# KiCad board pannel_v2.kicad_pcb (continued)
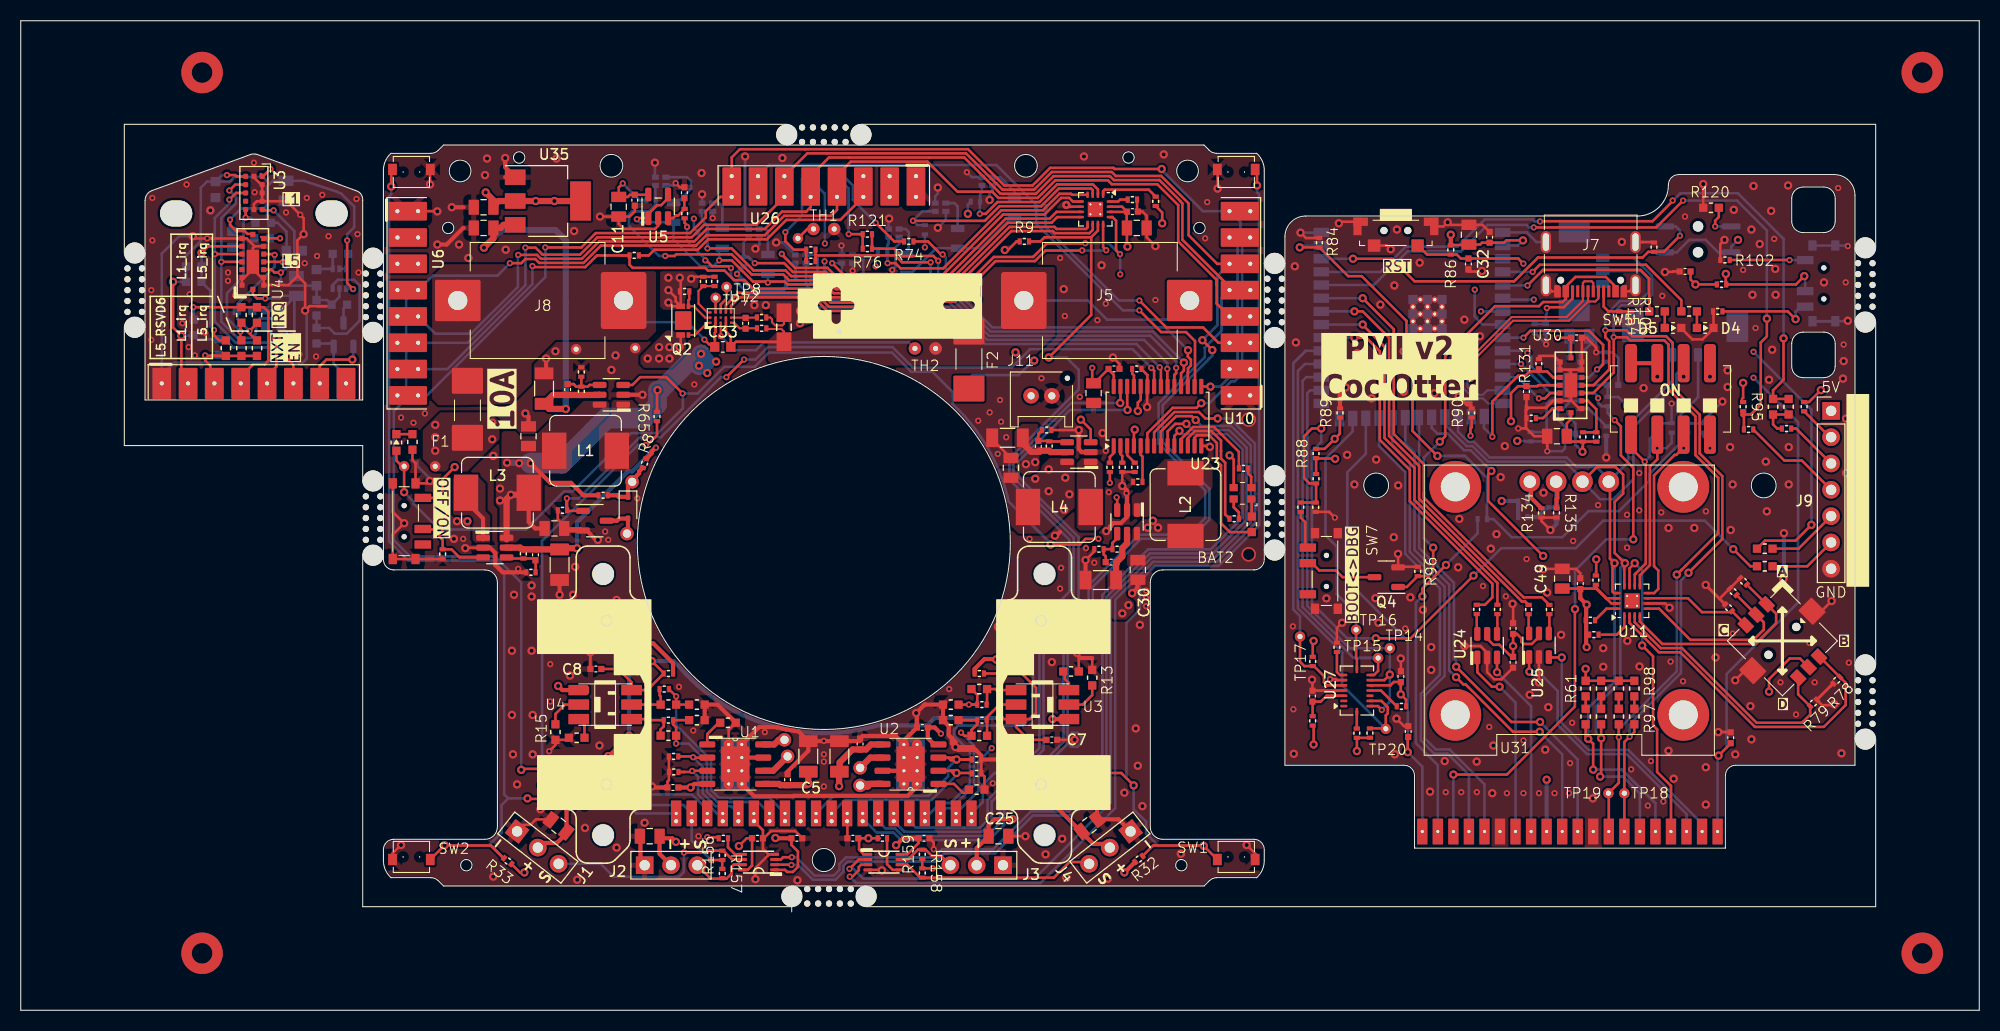
[diagram p0: board, top side]
## Library data of the parts
BAT2 D1 = -: Description: RGB LED 2.1mm x 2.1mm; JLCPCB Part #: C2874116
C1-C4 C7-C10 C12 C13 C15-C22 C28 C31 C32 C34 C47 C50 C53-C55 C57-C59 = -: Description: Unpolarized capacitor tol +/-10%; Specification: 100nF 50V X7R 0402; JLCPCB Part #: C85858; ki_fp_filters: C_*
C4#2 C7#2 C8#2 = -: Description: Unpolarized capacitor tol +/-10%; Specification: 100nF 50V X7R 0603; JLCPCB: C14663; ki_fp_filters: C_*
C5 C6 C36 C38 C43 C44 = -: Description: Unpolarized capacitor; Specification: 47µF 10V X5R 1206; JLCPCB Part #: C96123; ki_fp_filters: C_*
C5#2 C6#2 = -: Description: Unpolarized capacitor; Specification: 10µF 25V X7R 0805; JLCPCB: C15850; ki_fp_filters: C_*
C9#2 = -: Description: Unpolarized capacitor tol +/-10%; Specification: 2nF 50V X7R 0603; JLCPCB: C1588; JLCPCB Part #: C282245; ki_fp_filters: C_*
C11 C14 C23-C27 C30 C35 C39 C40 C45 C46 C48 C49 C51 C52 = -: Description: Unpolarized capacitor; Specification: 10µF 25V X7R 0805; JLCPCB Part #: C15850; ki_fp_filters: C_*
C29 C37 C41 C42 = -: Description: Unpolarized capacitor tol +/-10%; Specification: 1nF 50V X7R 0402; JLCPCB Part #: C541393; ki_fp_filters: C_*
C33 = -: Description: Unpolarized capacitor tol +/-10%; Specification: 1µF 16V X7R 0603; JLCPCB Part #: C59782; ki_fp_filters: C_*
D2 = -: Datasheet: https://datasheet.lcsc.com/lcsc/2204281430_Guangdong-Hottech-1N5819WS_C191023.pdf; Description: 40V 600mV@1A 1A SOD-323 Schottky Barrier Diodes, SOD-323; JLCPCB Part #: C191023; ki_fp_filters: D*SOD?323*
D4 D5 D7 = -: Description: Light emitting diode, Green, Vf=[2V; 2.4V]; DIGIKEY_REF: 3147-B19Y1UYG-20C000313U1930CT-ND; MOUSER_REF: 710-150060VS55040; JLCPCB Part #: C22371299; ki_fp_filters: LED* LED_SMD:* LED_THT:*
F1 F2 = -: Datasheet: https://datasheet.lcsc.com/lcsc/2305151203_Shenzhen-JDT-Fuse-JFC2410-2100FS_C136374.pdf; Description: 10A fuse, 125V AC,  6.6mOhms, I²t 118.38 A².s; JLCPCB Part #: C136374
H1 H1#2 H2 H2#2 H3 H4 = -: Description: Mounting Hole without connection; ki_fp_filters: MountingHole*
J1-J4 = -: Description: Generic connector, single row, 01x03, script generated; JLCPCB Part #: C2932698; ki_fp_filters: Connector*:*_1x??_*
J1#2 U6 U10 U26 = -: Description: tof sensor board connector - female; ki_fp_filters: Connector*:*_1x??_*
J5 J8 = -: Description: SMD battery clip Keystone; JLCPCB Part #: C2979182; ki_fp_filters: Connector*:*_1x??_*
J6 J10 = -: Description: 1.25mm Pitch, PicoBlade PCB Header, Single Row, Vertical, Surface Mount, Tin (Sn) Plating, Friction Lock, 5 Circuits, Tape and Reel, 0.60mm PC Tail Length
J7 = -: Datasheet: https://www.usb.org/sites/default/files/documents/usb_type-c.zip; Description: USB-C receptacle, SMD; DIGIKEY_REF: 2073-USB4105-GF-A-060TR-ND; JLCPCB Part #: C2927039; ki_fp_filters: USB*C*Receptacle*
J9 = -: JLCPCB Part #: C492406
J11 = -: Datasheet: https://www.jst.fr/core/file.get?path=doc/jst/family/pdf/epa0125.pdf; Description: 2 pins, 2mm pitch, 3A, 250V, JST connector, through hole; #JLC: C265372
L1-L4 = -: Datasheet: https://www.mouser.fr/datasheet/2/40/LMLPD-3165140.pdf; Description: 2.2 µH, Idc 8A, Isat 12A, DCR 17 mOhms; MOUSER: 581-LMLP07A7M2R2DTAS
Q1 Q4 = -: JLCPCB Part #: C2938374
Q1#2 = -: Datasheet: http://assets.nexperia.com/documents/data-sheet/BSS84.pdf; Description: -0.13A Id, -50V Vds, P-Channel MOSFET, SOT-23; ki_fp_filters: SOT?23*
Q2 = -: Datasheet: https://www.onsemi.com/pub/Collateral/NDS7002A-D.PDF; Description: 14.5A Id, 20V Vds, dual N-Channel MOSFET, DFN2030; JLCPCB Part #: C559578; ki_fp_filters: SOT?23*
Q4#2 = -: Datasheet: https://www.diodes.com/assets/Datasheets/ds30380.pdf; Description: N : 0.115A Id, 60V Vds.   P : -50V, -130mA; ki_fp_filters: TSOT?23*
R1-R3 R4#2 R5 R9 R12 R31-R33 R38 R44 R45 R67-R73 R77-R79 R84 R86 R88-R90 R93 R95 R96 R101 R110 R112 R115 R116 R119 R125-R127 R129-R131 R148 = -: Description: Resistor; Specification: 91k 0402 1% 100mW; JLCPCB Part #: C327323; ki_fp_filters: R_*
R4 R5#2 R6#2 R20#2 R21 = -: Description: Resistor; Specification: 0R 0603 20mOhms max 100mW; JLCPCB: C431718; ki_fp_filters: R_*
R6 R7 = -: Description: Resistor; Specification: 768R 0603 1% 100mW; JLCPCB Part #: C23108; ki_fp_filters: R_*
R7#2 R8#2 R9#2 R10#2 R13#2 R14#2 R25#2 = -: Description: Resistor; Specification: 10k 0603 1% 100mW; mouser: 603-RC0603FR-10100KL; JLCPCB: C25804; ki_fp_filters: R_*
R8 R10 R17 R20 R22 R26 R29 R30 R39 R54 R56-R58 R60 R65 R75 R80 R85 R87 R102 R103 R109 R118 R132-R138 R141-R143 R156-R159 = -: Description: Resistor; Specification: 0R 0603; JLCPCB Part #: C; ki_fp_filters: R_*
R11 R74 R76 R117 R121 R144-R147 = -: Description: Resistor; Specification: 100R 0402 1% 62.5mW; JLCPCB Part #: C25076; ki_fp_filters: R_*
R11#2 R12#2 R15#2 R17#2 R18#2 = -: Description: Resistor; Specification: 91k 0603 1% 100mW; JLCPCB Part #: C23265; ki_fp_filters: R_*
R13-R16 = -: Description: Resistor; Specification: 240R 0603 1% 100mW; JLCPCB Part #: C23350; ki_fp_filters: R_*
R16#2 = -: Description: Resistor; Specification: 3k3 0603 1% 100mW; JLCPCB: C22978; ki_fp_filters: R_*
R18 R21#2 R23 R27 = -: Description: Resistor; Specification: 1k3 0603 1% 100mW; JLCPCB Part #: C22767; ki_fp_filters: R_*
R19 R24 R25 R28 R55 R59 R61 R82 R83 R91 R92 R97-R100 R114 R149 = -: Description: Resistor; Specification: 10k 0603 1% 100mW; mouser: 603-RC0603FR-10100KL; JLCPCB Part #: C2991540; ki_fp_filters: R_*
R34 R35 R40 R41 R46 R47 R50 R51 = -: Description: Resistor; Specification: 82R 0805 1% 100mW; JLCPCB Part #: C17841; ki_fp_filters: R_*
R36 R37 R42 R43 R48 R49 R52 R53 = -: Description: Resistor; Specification: 27k 0402 1% 63.5mW; JLCPCB Part #: C; ki_fp_filters: R_*
R62 R63 = -: Description: Resistor; Specification: 100R 0402 1% 62.5mW; mouser: 603-RC0603FR-10100KL; JLCPCB Part #: C25076; ki_fp_filters: R_*
R64 R120 = -: Description: Resistor; Specification: 390R 0603 1% 100mW; mouser: 603-RC0603FR-10100KL; JLCPCB Part #: C23151; ki_fp_filters: R_*
R66 = -: Description: Resistor; Specification: 68k 0402 1% 100mW; JLCPCB Part #: C11702; ki_fp_filters: R_*
R81 R155 = -: Description: Resistor; Specification: 100R 0603 1% 100mW; JLCPCB Part #: C; ki_fp_filters: R_*
R94 R107 R108 R111 R113 R122-R124 R128 R152 R153 = -: Description: Resistor; Specification: 10k 0402 1% 100mW; mouser: 603-RC0603FR-10100KL; JLCPCB Part #: C; ki_fp_filters: R_*
R104-R106 R154 = -: Description: Resistor; Specification: 10k 0402 1% 100mW; JLCPCB Part #: C; ki_fp_filters: R_*
R139 R140 = -: Description: Resistor; Specification: 390R 0603 1% 100mW; JLCPCB Part #: C23151; ki_fp_filters: R_*
R150 = -: Datasheet: https://www.lcsc.com/datasheet/C728266.pdf; Description: Resistor; Specification: 3mR 0805 1% 500mW; JLCPCB Part #: C5823973; ki_fp_filters: R_*
R151 = -: Description: Resistor; Specification: 10M 0603 1% 100mW; JLCPCB Part #: C; ki_fp_filters: R_*
SW1 SW9 = -: Datasheet: https://www.lcsc.com/product-detail/Microswitches_Yuandi-TQ-2537A_C669819.html; Description: microswitch 50mA 12V SMD; Mouser: 667-ESE-22MH22; JLCPCB Part #: C388877
SW2 SW6 = -: Datasheet: https://www.lcsc.com/product-detail/microswitches_yuandi_tq-2537_C669818.html; Description: microswitch 50mA 12V SMD; Mouser: 667-ESE-22MH24; JLCPCB Part #: C2687661
SW3 SW7 SW8 = -: Datasheet: https://www.mouser.fr/datasheet/2/910/606_MSS614-1571571.pdf; Description: 100mA max, 12Vdc, 10000 cycles; JLCPCB Part #: C3008585
SW4 = -: Description: 5 dimensions switch with  center push, SMD; DIGIKEY_REF: 450-2425755-1TR-ND; JLCPCB Part #: C465995
SW5 = -: Description: 4 poles SMT DIP switch; JLCPCB Part #: C437204
SW10 = -: Datasheet: https://wmsc.lcsc.com/wmsc/upload/file/pdf/v2/lcsc/2108252230_BZCN-TSB001A3526A02_C2888889.pdf; Description: 50mA max, 12Vdc, 100mohms max; JLCPCB Part #: C2888889
TH1 TH2 = -: Description: Temperature dependent resistor, negative temperature coefficient; ki_fp_filters: *NTC* *Thermistor* PIN?ARRAY* bornier* *Terminal?Block* R_*
TP1-TP21 = -: Description: test point; ki_fp_filters: Pin* Test*
U1 U2 = -: JLCPCB Part #: C5218849
U3 = -: Datasheet: https://www.st.com/resource/en/datasheet/vl53l1x.pdf; Description: 4m distance ranging ToF sensor; JLCPCB: C190004; ki_fp_filters: ST*VL53L1x*
U4#2 = -: Datasheet: https://www.st.com/resource/en/datasheet/vl53l5cx.pdf; Description: Time-of-Flight 8x8 multizone ranging sensor with wide field of view; JLCPCB: C7386355; ki_fp_filters: ST*VL53L1x*
U5 = -: Description: Low Cost, 250 mA Output, / Single-Supply Amplifiers, supply [2.7;6V]; MOUSER_REF: 584-AD8531ARTZ-R7; JLCPCB Part #: C143905
U7 U11 = -: Datasheet: https://www.ti.com/lit/ds/symlink/tca6408a.pdf; Description: 8-BIT I2C/SMBUS GPIO EXPANDER; mouser: 595-TCA6408ARGTR; JLCPCB part#: C181499; ki_fp_filters: TSSOP*4.4x7.8mm*P0.65mm*
U8 U9 U13-U16 U19 U20 = -: Description: SMT, detection distance 0.5mm photointerrupter; JLCPCB Part #: C2943466
U12 = -: Datasheet: https://www.ti.com/lit/ds/symlink/bq27z746.pdf
U17 U21 = -: Datasheet: https://www.ti.com/lit/ds/symlink/sn74lvc2t45.pdf; Description: Dual-Bits Dual-Supply Bus Transceiver With Configurable Voltage Translation and 3-State Outputs, SOT-23-6; ki_fp_filters: SOT?23*
U18 = -: JLCPCB Part #: C509307
U22 U30 = -: Datasheet: https://www.st.com/resource/en/datasheet/vl53l5cx.pdf; Description: Time-of-Flight 8x8 multizone ranging sensor with wide field of view; JLCPCB Part #: C3178303; ki_fp_filters: ST*VL53L1x*
U23 = -: Datasheet: http://www.nxp.com/docs/en/data-sheet/PCA9685.pdf; Description: 16-channel 12-bit PWM Fm+ I2C-bus LED controller RGBA TSSOP; JLCPCB Part #: C2678753; ki_fp_filters: TSSOP*4.4x9.7mm*P0.65mm*
U24 U25 = -: Datasheet: https://www.ti.com/lit/ds/symlink/sn74lvc2g17.pdf; Description: Dual Schmitt-Trigger non inverting Buffer; ki_fp_filters: SOT?23*
U27 = -: Datasheet: https://www.bosch-sensortec.com/media/boschsensortec/downloads/datasheets/bst-bmi088-ds001.pdf; Description: 6-axis Motion Tracking for High-performance Applications; JLCPCB Part #: C194919
U28 U29 U33 U34 = -: Datasheet: https://www.ti.com/lit/gpn/TLV61070A
U31 = -: Description: 0.96 inches, 128x64 pixels, supply [3.3;5V], I2C, SH1106 (or SSD1306) controller
U32 = -: Description: 8MB flash, 2MB PSRAM, with antena connector; JLCPCB Part #: C3013944

## Footprints (pads in the part's own frame, mm; a bottom-side part is the same pattern mirrored in y, then rotated)
254
  rrect 4.4x5.5 hole 1.85: 1(-7.8,0)
  rrect 4.4x4 hole 1.85: 1(8.2,0)
533980371
  rrect 0.8x1.3 smd: 1(1.25,-2.75) 2(0,-2.75) 3(-1.25,-2.75)
  rrect 2.1x3 smd: NC(-3.8,0) NC(3.8,0)
533980571
  rrect 0.8x1.3 smd: 1(2.5,-2.75) 2(1.25,-2.75) 3(0,-2.75) 4(-1.25,-2.75) 5(-2.5,-2.75)
  rrect 2.1x3 smd: NC(-5.05,0) NC(5.05,0)
ana_servo_5V
  rect 1.7x1.7 hole 1: 1(0,2.54)
  oval 1.7x1.7 hole 1: 2(0,0) 3(0,-2.54)
BM02B-PASK
  round 0.5 hole 1.1 unplated: (2.5,1.7)
  round 1.5 hole 0.7: 1(1,0) 2(-1,0)
Bosch_LGA-16_4.5x3mm_P0.5mm_LayoutBorder7x1y_ClockwisePinNumbering
  rrect 0.25x0.675 smd: 1(-1.5,1.262) 2(-1,1.262) 3(-0.5,1.262) 4(0,1.262) 5(0.5,1.262) 6(1,1.262) 7(1.5,1.262) 9(1.5,-1.262) 10(1,-1.262) 11(0.5,-1.262) 12(0,-1.262) 13(-0.5,-1.262) 14(-1,-1.262) 15(-1.5,-1.262)
  rrect 0.675x0.25 smd: 8(2.013,0) 16(-2.013,0)
C_0402_1005Metric
  rrect 0.6x0.6 smd: 1(-0.525,0) 2(0.525,0)
C_0603_1608Metric
  rrect 0.9x0.95 smd: 1(-0.775,0) 2(0.775,0)
C_0805_2012Metric
  rrect 1x1.45 smd: 1(-0.95,0) 2(0.95,0)
C_1206_3216Metric
  rrect 1.15x1.8 smd: 1(-1.475,0) 2(1.475,0)
CTN-NRN
  round 1.2 hole 0.5: 1(-1,0) 2(1,0)
D_SOD-323
  rrect 0.6x0.45 smd: 1(-1.05,0) 2(1.05,0)
DDA0008B
  rrect 1.55x0.6 smd: 1(-2.7,1.905) 2(-2.7,0.635) 3(-2.7,-0.635) 4(-2.7,-1.905) 5(2.7,-1.905) 6(2.7,-0.635) 7(2.7,0.635) 8(2.7,1.905)
  round 1 hole 0.3: 9(-0.635,1.905) 9(-0.635,0.635) 9(-0.635,-0.635) 9(-0.635,-1.905) 9(0.635,1.905) 9(0.635,0.635) 9(0.635,-0.635) 9(0.635,-1.905)
  rrect 2.71x3.4 smd: 9(0,0)
  rrect 2.8x5 smd far side: 9(0,0)
EESX1321
  rrect 2x1 smd: 1(-2.55,1.4) 2(-2.55,0) 3(-2.55,-1.4) 4(2.55,-1.4) 5(2.55,0) 6(2.55,1.4)
eps32_uart_programmer
  rect 1.7x1.7 hole 1: 1(0,0)
  oval 1.7x1.7 hole 1: 2(0,-2.54) 3(0,-5.08) 4(0,-7.62) 5(0,-10.16) 6(0,-12.7) 7(0,-15.24)
ESE58L11B
  round 0.1 hole 0.7 unplated: (-0.8,0) (0.8,0)
  rrect 0.85x1.1 smd: 1(-1.825,0.25) 2(1.825,0.25)
ESE58R11B
  round 0.1 hole 0.7 unplated: (-0.8,0) (0.8,0)
  rrect 0.85x1.1 smd: 1(-1.825,0.25) 2(1.825,0.25)
ESP32-S3-WROOM-1
  rrect 1.5x0.9 smd: 1(-8.75,8.255) 2(-8.75,6.985) 3(-8.75,5.715) 4(-8.75,4.445) 5(-8.75,3.175) 6(-8.75,1.905) 7(-8.75,0.635) 8(-8.75,-0.635) 9(-8.75,-1.905) 10(-8.75,-3.175) 11(-8.75,-4.445) 12(-8.75,-5.715) 13(-8.75,-6.985) 14(-8.75,-8.255) 27(8.75,-8.255) 28(8.75,-6.985) 29(8.75,-5.715) 30(8.75,-4.445) 31(8.75,-3.175) 32(8.75,-1.905) 33(8.75,-0.635) 34(8.75,0.635) 35(8.75,1.905) 36(8.75,3.175) 37(8.75,4.445) 38(8.75,5.715) 39(8.75,6.985) 40(8.75,8.255)
  rrect 0.9x1.5 smd: 15(-6.985,-9.505) 16(-5.715,-9.525) 17(-4.445,-9.545) 18(-3.175,-9.565) 19(-1.905,-9.585) 20(-0.635,-9.605) 21(0.635,-9.625) 22(1.905,-9.645) 23(3.175,-9.665) 24(4.445,-9.685) 25(5.715,-9.705) 26(6.985,-9.725)
  rrect 0.9x0.9 smd: 41(-2.9,-1.025) 41(-2.9,0.375) 41(-2.9,1.775) 41(-1.5,-1.025) 41(-1.5,0.375) 41(-1.5,1.775) 41(-0.1,-1.025) 41(-0.1,0.375) 41(-0.1,1.775)
  round 0.6 hole 0.3: 41(-2.9,-0.325) 41(-2.9,1.075) 41(-2.2,-1.025) 41(-2.2,0.375) 41(-2.2,1.775) 41(-1.5,-0.325) 41(-1.5,1.075) 41(-0.8,-1.025) 41(-0.8,0.375) 41(-0.8,1.775) 41(-0.1,-0.325) 41(-0.1,1.075)
HAD-04HWAG-2
  rrect 1.15x3.7 smd: 1(-3.81,-3.45) 2(-1.27,-3.45) 3(1.27,-3.45) 4(3.81,-3.45) 5(3.81,3.45) 6(1.27,3.45) 7(-1.27,3.45) 8(-3.81,3.45)
ITR1204SR10A
  rrect 0.65x0.5 smd: 1(0.5,-0.4) 2(0.5,0.4)
  rrect 0.7x0.5 smd: 3(-0.525,0.4) 4(-0.525,-0.4)
JFC2410
  rrect 2.5x3 smd: 1(-2.75,0) 2(2.75,0)
L_Kyocera_07A7_7.3x6.6mm
  rect 2.35x3.5 smd: 1(-3.025,0) 2(3.025,0)
LED_0603_1608Metric
  rrect 0.8x0.8 smd: A(0.8,0) C(-0.8,0)
mice_bite_2mm_both_sides
  round 0.6 hole 0.6 unplated: (-0.7,2.1) (-0.7,1.05) (-0.7,0) (-0.7,-1.05) (-0.7,-2.1) (0.7,2.1) (0.7,1.05) (0.7,0) (0.7,-1.05) (0.7,-2.1)
  round 2 hole 2 unplated: (0,3.6) (0,-3.6)
MountingHole_2.1mm
  round 2.1 hole 2.1 unplated: (0,0)
MountingHole_2.5mm-slot_1mm
  oval 3.1x2.5 hole 3.1x2.5 unplated: (0,0)
MSS12C02LS-BB2.0
  round 0.5 hole 0.8 unplated: (-1.5,0) (1.5,0)
  rrect 0.8x1.6 smd: A(-2.25,1.8) B(0.75,1.8) C(2.25,1.8)
  rrect 1x0.8 smd: MP(-3.65,1.1) MP(-3.65,-1.1) MP(3.65,1.1) MP(3.65,-1.1)
NH-B2020RGBA-HF
  rrect 0.8x0.7 smd: 1(-0.85,0.55) 2(0.85,0.55) 3(0.85,-0.55) 4(-0.85,-0.55)
OLED_0.96inch
  round 2 hole 1.2: 1(-3.81,12.4) 2(-1.27,12.4) 3(1.27,12.4) 4(3.81,12.4)
  round 5 hole 2.8: NC(-11,11.9) NC(-11,-10.1) NC(11,11.9) NC(11,-10.1)
PA0805
  rrect 1.8x1.44 smd: 1(-1.4,0) 2(1.4,0)
pmi_2023_interconnection
  round 0.7 hole 0.3: 1(-14.25,0) 2(-12.75,0) 3(-11.25,0) 4(-9.75,0) 5(-8.25,0) 6(-6.75,0) 7(-5.25,0) 8(-3.75,0) 9(-2.25,0) 10(-0.75,0) 11(0.75,0) 12(2.25,0) 13(3.75,0) 14(5.25,0) 15(6.75,0) 16(8.25,0) 17(9.75,0) 18(11.25,0) 19(12.75,0) 20(14.25,0)
  rrect 1x2.5 smd: 1(-14.25,0) 2(-12.75,0) 3(-11.25,0) 4(-9.75,0) 5(-8.25,0) 6(-6.75,0) 7(-5.25,0) 8(-3.75,0) 9(-2.25,0) 10(-0.75,0) 11(0.75,0) 12(2.25,0) 13(3.75,0) 14(5.25,0) 15(6.75,0) 16(8.25,0) 17(9.75,0) 18(11.25,0) 19(12.75,0) 20(14.25,0)
pmi_2023_interconnection_bot
  round 0.7 hole 0.3: 1(-14.25,0) 2(-12.75,0) 3(-11.25,0) 4(-9.75,0) 5(-8.25,0) 6(-6.75,0) 7(-5.25,0) 8(-3.75,0) 9(-2.25,0) 10(-0.75,0) 11(0.75,0) 12(2.25,0) 13(3.75,0) 14(5.25,0) 15(6.75,0) 16(8.25,0) 17(9.75,0) 18(11.25,0) 19(12.75,0) 20(14.25,0)
  rrect 1x2.5 smd: 1(-14.25,0) 2(-12.75,0) 3(-11.25,0) 4(-9.75,0) 5(-8.25,0) 6(-6.75,0) 7(-5.25,0) 8(-3.75,0) 9(-2.25,0) 10(-0.75,0) 11(0.75,0) 12(2.25,0) 13(3.75,0) 14(5.25,0) 15(6.75,0) 16(8.25,0) 17(9.75,0) 18(11.25,0) 19(12.75,0) 20(14.25,0)
  round 0.7 hole 0.4: 1(-14.25,-0.75) 2(-12.75,-0.75) 3(-11.25,-0.75) 4(-9.75,-0.75) 5(-8.25,-0.75) 6(-6.75,-0.75) 7(-5.25,-0.75) 8(-3.75,-0.75) 9(-2.25,-0.75) 10(-0.75,-0.75) 11(0.75,-0.75) 12(2.25,-0.75) 13(3.75,-0.75) 14(5.25,-0.75) 15(6.75,-0.75) 16(8.25,-0.75) 17(9.75,-0.75) 18(11.25,-0.75) 19(12.75,-0.75) 20(14.25,-0.75)
r0402_reflow
  rrect 0.4x0.6 smd: 1(-0.45,0) 2(0.45,0)
r0603_reflow
  rrect 0.8x0.8 smd: 1(-0.75,0) 2(0.75,0)
r0805_reflow
  rrect 0.7x1.3 smd: 1(-0.95,0) 2(0.95,0)
RPI-0352E
  round 1 hole 1.2 unplated: (0,-1.25)
  round 1 hole 1.5 unplated: (0,1.25)
  rrect 1.8x0.6 smd: 1(3.2,-1.25) 2(3.2,1.25) 3(-3.2,1.25) 4(-3.2,-1.25)
SOT-23-3
  rrect 1.325x0.6 smd: 1(-1.137,0.95) 2(-1.137,-0.95) 3(1.137,0)
SOT-23-5
  rrect 1.325x0.6 smd: 1(-1.137,0.95) 2(-1.137,0) 3(-1.137,-0.95) 4(1.137,-0.95) 5(1.137,0.95)
SOT-23-6
  rrect 1.325x0.6 smd: 1(-1.137,0.95) 2(-1.137,0) 3(-1.137,-0.95) 4(1.137,-0.95) 5(1.137,0) 6(1.137,0.95)
SOT-223
  rect 2x1.5 smd: 1(-3.15,2.3) 2(-3.15,0) 3(-3.15,-2.3)
  rect 2x3.8 smd: 4(3.15,0)
SOT-363_SC-70-6
  rrect 0.65x0.42 smd: 1(-0.95,0.65) 2(-0.95,0) 3(-0.95,-0.65) 4(0.95,-0.65) 5(0.95,0) 6(0.95,0.65)
ST_VL53L1x
  rrect 0.38x0.25 smd: 1(-3.22,0.675)
  rrect 0.5x0.5 smd: 1(-3.08,0.8) 2(-2.28,0.8) 3(-1.48,0.8) 4(-0.68,0.8) 5(0.12,0.8) 6(0.12,0) 7(0.12,-0.8) 8(-0.68,-0.8) 9(-1.48,-0.8) 10(-2.28,-0.8) 11(-3.08,-0.8) 12(-3.08,0)
testpoint-THT-0.5mm
  round 1 hole 0.5: 1(0,0)
testpoint-THT-0.8mm
  round 1.3 hole 0.8: 1(0,0)
TM-4175-B-A
  round 0.8 hole 1.1 unplated: (0,1.9)
  round 0.8 hole 1 unplated: (0,-1.9)
  rrect 1.35x1 smd: 1(3.575,-1.425) 2(3.575,0) 3(3.575,1.425) 4(-3.575,-1.425) 5(-3.575,0) 6(-3.575,1.425)
  rrect 2x1.8 smd: MP(0,4.05) MP(0,-4.05)
tof_sensor_female
  round 1 hole 0.4: 1(-8.89,0) 2(-6.35,0) 3(-3.81,0) 4(-1.27,0) 5(1.27,0) 6(3.81,0) 7(6.35,0) 8(8.89,0)
  rrect 1.8x3 smd: 1(-8.89,0) 2(-6.35,0) 3(-3.81,0) 4(-1.27,0) 5(1.27,0) 6(3.81,0) 7(6.35,0) 8(8.89,0)
  rrect 1.8x3 smd far side: 1(-8.89,0) 2(-6.35,0) 3(-3.84,0) 4(-1.27,0) 5(1.27,0) 6(3.81,0) 7(6.35,0) 8(8.89,0)
tof_sensor_male
  round 1 hole 0.4: 1(-8.89,1) 1(-8.89,-1) 2(-6.35,1) 2(-6.35,-1) 3(-3.81,1) 3(-3.81,-1) 4(-1.27,1) 4(-1.27,-1) 5(1.27,1) 5(1.27,-1) 6(3.81,1) 6(3.81,-1) 7(6.35,1) 7(6.35,-1) 8(8.89,1) 8(8.89,-1)
  rrect 1.8x3.7 smd: 1(-8.89,0) 2(-6.35,0) 3(-3.81,0) 4(-1.27,0) 5(1.27,0) 6(3.81,0) 7(6.35,0) 8(8.89,0)
tof_sensor_male_without_center
  round 1 hole 0.4: 1(-8.89,1) 1(-8.89,-1) 2(-6.35,1) 2(-6.35,-1) 3(-3.81,1) 3(-3.81,-1) 4(-1.27,1) 5(1.27,1) 6(3.81,1) 6(3.81,-1) 7(6.35,1) 7(6.35,-1) 8(8.89,1) 8(8.89,-1)
  rrect 1.8x3.7 smd: 1(-8.89,0) 2(-6.35,0) 3(-3.81,0) 4(-1.27,0) 5(1.27,0) 6(3.81,0) 7(6.35,0) 8(8.89,0)
TSB001A3526A02
  round 0.7 hole 0.8 unplated: (-1.15,0) (1.15,0)
  rrect 1.2x1.2 smd: 1(-2.1,-1.45) 2(2.1,-1.45)
  rect 0.8x1.7 smd: MP(-3.7,0.4) MP(3.7,0.4)
  rect 1.4x0.8 smd: MP(-3.4,0.85) MP(3.4,0.85)
TSSOP-28_4.4x9.7mm_P0.65mm
  rrect 1.475x0.4 smd: 1(-2.862,4.225) 2(-2.862,3.575) 3(-2.862,2.925) 4(-2.862,2.275) 5(-2.862,1.625) 6(-2.862,0.975) 7(-2.862,0.325) 8(-2.862,-0.325) 9(-2.862,-0.975) 10(-2.862,-1.625) 11(-2.862,-2.275) 12(-2.862,-2.925) 13(-2.862,-3.575) 14(-2.862,-4.225) 15(2.862,-4.225) 16(2.862,-3.575) 17(2.862,-2.925) 18(2.862,-2.275) 19(2.862,-1.625) 20(2.862,-0.975) 21(2.862,-0.325) 22(2.862,0.325) 23(2.862,0.975) 24(2.862,1.625) 25(2.862,2.275) 26(2.862,2.925) 27(2.862,3.575) 28(2.862,4.225)
U-DFN2030-6
  rrect 1.8x1.6 smd: D1/D2(0,0)
  rrect 0.53x0.35 smd: G1(-1.385,-0.5) G2(1.385,-0.5)
  rrect 0.53x0.85 smd: S1(-1.385,0.25) S2(1.385,0.25)
USB4105
  round 0.7 hole 0.65 unplated: (-2.89,6.28) (2.89,6.28)
  rrect 0.6x1.15 smd: A1(-3.2,7.355) A4(-2.4,7.355) A9(2.4,7.355) A12(3.2,7.355) B1(3.2,7.355) B4(2.4,7.355) B9(-2.4,7.355) B12(-3.2,7.355)
  rrect 0.3x1.15 smd: A5(-1.25,7.355) A6(-0.25,7.355) A7(0.25,7.355) A8(1.25,7.355) B5(1.75,7.355) B6(0.75,7.355) B7(-0.75,7.355) B8(-1.75,7.355)
  oval 1x2.1 hole 0.6x1.7: SHIELD(-4.32,6.78) SHIELD(-4.32,2.6) SHIELD(4.32,6.78) SHIELD(4.32,2.6)
VL53L5CX
  rrect 0.5x0.5 smd: A1(4.58,-0.95) A2(3.83,-0.95) A3(3.08,-0.95) A4(2.33,-0.95) A5(1.58,-0.95) A6(0.83,-0.95) A7(0.08,-0.95) B1(4.98,0.1) B7(-0.32,0.1) C1(4.58,1.15) C2(3.83,1.15) C3(3.08,1.15) C4(2.33,1.15) C5(1.58,1.15) C6(0.83,1.15) C7(0.08,1.15)
  rrect 0.2x0.6 smd: A1(4.73,-0.9)
  rrect 2.316x1.2 smd: B4(2.33,0.1)
VQFN-16-1EP_3x3mm_P0.5mm_EP1.1x1.1mm
  rrect 1.2x1.2 smd: (0,0)
  rrect 0.6x0.24 smd: 1(-1.4,0.75) 2(-1.4,0.25) 3(-1.4,-0.25) 4(-1.4,-0.75) 9(1.4,-0.75) 10(1.4,-0.25) 11(1.4,0.25) 12(1.4,0.75)
  rrect 0.24x0.6 smd: 5(-0.75,-1.4) 6(-0.25,-1.4) 7(0.25,-1.4) 8(0.75,-1.4) 13(0.75,1.4) 14(0.25,1.4) 15(-0.25,1.4) 16(-0.75,1.4)
  round 0.45 hole 0.2: 17(-0.475,0.475) 17(-0.475,-0.475) 17(0.475,0.475) 17(0.475,-0.475)
  rect 1.45x1.45 smd: 17(0,0)
VSSOP-8-DCU
  rrect 0.85x0.3 smd: 1(-1.55,0.75) 2(-1.55,0.25) 3(-1.55,-0.25) 4(-1.55,-0.75) 5(1.55,-0.75) 6(1.55,-0.25) 7(1.55,0.25) 8(1.55,0.75)
YAH0015
  rrect 0.21x0.21 smd: A1(-0.5,1) A2(0,1) A3(0.5,1) B1(-0.5,0.5) B2(0,0.5) B3(0.5,0.5) C1(-0.5,0) C2(0,0) C3(0.5,0) D1(-0.5,-0.5) D2(0,-0.5) D3(0.5,-0.5) E1(-0.5,-1) E2(0,-1) E3(0.5,-1)

## Nets
+3.3V: C4#2.2 C5#2.1 C6#2.1 C7#2.1 C8#2.1 J1#2.2 Q4#2.4 R7#2.1 R8#2.1 R9#2.1 R10#2.1 R11#2.1 R12#2.1 R13#2.1 R25#2.1 U3.1 U3.11 U4#2.A4 U4#2.B1 U4#2.B7
+3V3: BAT2.3 C1.1 C2.1 C10.1 C11.1 C13.1 C14.1 C15.1 C17.1 C46.1 C47.1 C48.1 D1.3 J50.9 R9.1 R12.1 R30.2 R32.1 R33.1 R36.1 R37.1 R42.1 R43.1 R48.1 R49.1 R52.1 R53.1 R57.1 R142.1 R143.1 U1.4 U2.4 U3#2.1 U4.1 U5.5 U6.2 U7.14 U7.15 U10.2 U17.1 U21.1 U23.4 U23.24 U23.28 U26.2 U35.2 U35.4
+3V3_m: C12.1 C16.1 C18.1 C28.1 C34.1 C35.1 C49.1 C50.1 C51.1 C52.1 C53.1 C57.1 C58.1 C59.1 J6.5 J49.9 R38.1 R44.1 R45.1 R55.1 R61.1 R86.1 R88.1 R93.1 R95.1 R98.1 R99.1 R101.1 R115.1 R116.1 R118.1 R119.1 R123.1 R125.1 R126.1 R129.1 R130.1 R132.2 R133.2 R138.1 R141.1 SW4.5 SW5.5 SW5.6 SW5.7 SW5.8 U11.14 U11.15 U18.2 U18.3 U22.A4 U22.B1 U22.B7 U24.5 U25.5 U27.11 U30.A4 U30.B1 U30.B7 U32.2
+5V: C19.1 C21.1 C23.1 C24.1 C25.1 C26.1 C37.1 C38.1 J1.2 J2.2 J3.2 J4.2 R29.2 R67.1 U17.8 U21.8 U29.5
/power_supply/P3V9: C29.1 C36.1 C45.1 R66.1 U28.5 U35.3
GND: C1.2 C2.2 C3.2 C4.2 C4#2.1 C5.2 C5#2.2 C6.2 C6#2.2 C7.2 C7#2.2 C8.2 C8#2.2 C9.2 C9#2.2 C10.2 C11.2 C13.2 C14.2 C15.2 C17.2 C19.2 C21.2 C23.2 C24.2 C25.2 C26.2 C27.2 C30.2 C36.2 C38.2 C39.2 C40.2 C43.2 C44.2 C45.2 C46.2 C47.2 C48.2 J1.1 J1#2.1 J2.1 J3.1 J4.1 J11.1 J50.6 J50.12 Q1.2 Q4#2.1 R1.2 R2.2 R3.2 R4#2.2 R5.2 R6.2 R7.2 R10.2 R13.2 R14.2 R14#2.2 R15.2 R16.2 R17#2.2 R18.2 R21#2.2 R23.2 R27.2 R54.2 R56.2 R58.2 R60.2 R107.2 R108.2 R111.2 R113.2 R114.2 R148.2 R150.2 R155.1 SW1.1 SW2.2 SW6.1 SW8.MP SW9.2 TH1.2 TP10.1 TP13.1 U1.7 U1.9 U2.7 U2.9 U3.2 U3.3 U3.4 U3.6 U3.12 U4#2.A2 U4#2.A6 U4#2.A7 U4#2.B4 U4#2.C1 U4#2.C6 U4#2.C7 U5.2 U6.1 U7.6 U8.2 U8.4 U9.2 U9.4 U10.1 U13.2 U13.4 U14.2 U14.4 U15.2 U15.4 U16.2 U16.4 U17.4 U19.2 U19.4 U20.2 U20.4 U21.4 U23.14 U23.23 U26.1 U28.2 U29.2 U33.2 U34.2 U35.1
GND_m: C12.2 C16.2 C18.2 C20.2 C22.2 C28.2 C31.2 C32.2 C34.2 C35.2 C49.2 C50.2 C51.2 C52.2 C53.2 C54.2 C57.2 C58.2 C59.2 D4.C D5.C J6.1 J7.A1 J7.A12 J7.B1 J7.B12 J7.SHIELD J9.7 J10.1 J49.6 J49.12 Q4.2 R39.2 R68.2 R69.2 R70.2 R71.2 R72.2 R73.2 R77.2 R78.2 R79.2 R80.2 R84.2 R89.2 R90.2 R96.2 R102.2 R104.2 R105.2 R106.2 R109.2 R120.2 R122.2 R124.2 R127.2 R128.2 R131.2 R134.1 R135.2 R154.2 SW3.MP SW4.MP SW7.MP SW10.1 SW10.MP U11.6 U22.A2 U22.A6 U22.A7 U22.B4 U22.C1 U22.C6 U22.C7 U24.2 U25.2 U27.4 U27.6 U30.A2 U30.A6 U30.A7 U30.B4 U30.C1 U30.C6 U30.C7 U32.1 U32.40 U32.41
+BATT: C27.1 C30.1 C39.1 C40.1 J11.2 L1.1 L2.1 L3.1 L4.1 Q2.S2 R65.2 R75.2 R151.2 R152.1 R153.1 SW8.A U28.6 U29.6 U33.6 U34.6
//enable_tof_3v3: J1#2.7 Q1#2.1
//reset_tof_com_3v3: J1#2.8 Q1#2.2 R18#2.2
/actuators//reset_tof_3v3: U6.8 U10.8 U23.15 U26.8
/actuators/dig_servo_cmd: J50.2 R65.1 R156.1 R157.1 R158.1 R159.1
/actuators/enable_tof_1_3v3: R85.2 U23.16 U26.7
/actuators/enable_tof_2_3v3: R87.2 U6.7 U23.20
/actuators/enable_tof_3v3: U10.7 U23.6
/actuators/led_RGB_b_3v3: R11.1 R117.1 U23.19
/actuators/led_RGB_g_3v3: R76.1 R121.1 U23.18
/actuators/led_RGB_r_3v3: R74.1 U23.17
/actuators/led_vbatt_B: R62.2 U23.12
/actuators/led_vbatt_G: R63.2 U23.11
/actuators/led_vbatt_R: R64.2 U23.13
/actuators/line_led_pwm_3v3: R31.1 U23.21
/actuators/scl_3v3: J50.15 U7.12 U12.E3 U23.26
/actuators/sda_3v3: J50.16 U7.13 U12.D3 U23.27
/actuators/servo_pwm_0_3v3: U21.3 U23.10
/actuators/servo_pwm_0_5V: J1.3 R156.2 U21.6
/actuators/servo_pwm_1_3v3: U21.2 U23.9
/actuators/servo_pwm_1_5V: J2.3 R157.2 U21.7
/actuators/servo_pwm_2_3v3: U17.2 U23.8
/actuators/servo_pwm_2_5V: J3.3 R159.2 U17.7
/actuators/servo_pwm_3_3v3: U17.3 U23.7
/actuators/servo_pwm_3_5V: J4.3 R158.2 U17.6
/boards interface/com/boot/dl_select_3v3: R80.1 R93.2 R94.1 R140.1 U32.27
/boards interface/com/ctc_left: C22.1 J49.20 U32.6
/boards interface/com/ctc_right: C54.1 J49.1 U32.24
/boards interface/com/dir_left: J49.5 U32.22
/boards interface/com/dir_right: J49.11 U32.20
/boards interface/com/emergency_stop_3v3: R119.2 SW3.B U32.8
/boards interface/com/EN_ESP32_3v3: C32.1 R86.2 R139.1 SW10.2 U32.3
/boards interface/com/esp32_dbg_rx_3v3: R95.2 R136.1 U32.36
/boards interface/com/esp32_dbg_tx_3v3: R91.2 R92.2 R137.1
/boards interface/com/led_com_3v3: R83.1 U32.5
/boards interface/com/led_esp_3v3: R82.1 U32.4
/boards interface/com/left_encod_A_3v3: R144.2 U32.32
/boards interface/com/left_encod_B_3v3: R145.2 U32.33
/boards interface/com/pwm_left: J49.4 U32.23
/boards interface/com/pwm_right: J49.10 U32.21
/boards interface/com/right_encod_A_3v3: R147.2 U32.35
/boards interface/com/right_encod_B_3v3: R146.2 U32.34
/boards interface/com/start_robot_3v3: R122.1 U18.4 U32.38
/boards interface/com/USB_D+: J7.A6 J7.B6 U32.14
/boards interface/com/USB_D-: J7.A7 J7.B7 U32.13
/boards interface/com/USB_VBUS: J7.A4 J7.A9 J7.B4 J7.B9 Q4.1 R96.1
/boards interface/dig_servo_cmd_top_3v3: J6.4 R84.1 R103.1 U32.39
/boards interface/i2C_io_int_3v3: J50.17 R9.2 U7.11
/boards interface/i2c_io_int_3v3: J49.17 R115.2 U11.11 U32.19
/boards interface/interface/conf0: R68.1 SW5.1 U11.10
/boards interface/interface/conf1: R69.1 SW5.2 U11.9
/boards interface/interface/conf2: R70.1 SW5.3 U11.8
/boards interface/interface/conf3: R71.1 SW5.4 U32.7
/boards interface/interface/select0: R79.1 SW4.6 U11.3
/boards interface/interface/select1: R73.1 SW4.1 U11.4
/boards interface/interface/select2: R72.1 SW4.3 U11.7
/boards interface/interface/select3: R78.1 SW4.4 U11.2
/boards interface/interface/select4: R77.1 SW4.2 U11.5
/boards interface/left_encod_raw_A_3v3: J49.7 U24.1
/boards interface/left_encod_raw_B_3v3: J49.8 U24.3
/boards interface/right_encod_raw_A_3v3: J49.19 U25.3
/boards interface/right_encod_raw_B_3v3: J49.18 U25.1
/boards interface/scl_tof_3v3: J50.13 U6.6 U10.6 U26.6
/boards interface/scl_top_3v3: J6.3 J49.15 R59.2 U11.12 U31.3 U32.18
/boards interface/scl_top_tof_3v3: J10.3 J49.13 R100.2 TP19.1 U22.C3 U30.C3 U32.11
/boards interface/sda_tof_3v3: J50.14 U6.5 U10.5 U26.5
/boards interface/sda_top_3v3: J6.2 J49.16 R149.2 U11.13 U31.4 U32.17
/boards interface/sda_top_tof_3v3: J10.2 J49.14 R97.2 TP18.1 U22.C4 U30.C4 U32.10
/boards interface/Sensor module/enable_back_tof_3v3: R131.1 U30.A5 U32.15
/boards interface/Sensor module/enable_front_tof_3v3: R127.1 U22.A5 U32.9
/boards interface/Sensor module/gyro_miso_3v3: TP14.1 U27.10 U27.15 U32.28
/boards interface/Sensor module/gyro_mosi_3v3: TP15.1 U27.9 U32.29
/boards interface/Sensor module/gyro_ncs_accel_3v3: R38.2 TP20.1 U27.14 U32.30
/boards interface/Sensor module/gyro_ncs_gyro_3v3: R44.2 TP17.1 U27.5 U32.31
/boards interface/Sensor module/gyro_sck_3v3: TP16.1 U27.8 U32.25
/boards interface/Sensor module/VL53L5_I2C_RST_u22_3v3: R124.1 U22.A1
/boards interface/Sensor module/VL53L5_I2C_RST_u30_3v3: R128.1 U30.A1
/boards interface/tof_irq_3v3: J49.3 R123.2 U22.A3 U30.A3 U32.12
/enable_tof_3v3: C9#2.1 Q4#2.5 R15#2.2 R16#2.2 U3.5 U4#2.A5
/power_supply/+cell: C33.1 F1.1 J8.1 U12.B1 U12.B2
/power_supply/-cell: C33.2 F2.2 J5.1 R81.1 R150.1 TH2.2 TP21.1 U12.D1 U12.D2
/power_supply/enable_pw_conv_3v7: D7.A R148.1 SW8.B TP11.1 U28.3 U29.3 U33.3 U34.3
/power_supply/Vmot_left_5V: C3.1 C5.1 C41.1 C43.1 R8.2 R110.1 U1.5 U33.5
/power_supply/Vmot_right_5V: C4.1 C6.1 C42.1 C44.1 R112.1 U2.5 U34.5
/propulsion/dir_left: J50.5 R1.1 U1.2
/propulsion/dir_right: J50.11 R2.1 U2.2
/propulsion/encoder_supply: C7.1 C8.1 R29.1 R30.1 U3#2.6 U4.6
/propulsion/i_prop_left_3v3: R7.1 U1.1
/propulsion/i_prop_right_3v3: R6.1 U2.1
/propulsion/left_encod_A_3v3: J50.7 R26.2 R27.1 R28.2
/propulsion/left_encod_B_3v3: J50.8 R20.2 R21#2.1 R24.2
/propulsion/mot_left_A: TP3.1 U1.6
/propulsion/mot_left_B: TP4.1 U1.8
/propulsion/mot_right_A: TP5.1 U2.6
/propulsion/mot_right_B: TP6.1 U2.8
/propulsion/pwm_left: J50.4 R3.1 U1.3
/propulsion/pwm_right: J50.10 R4#2.1 U2.3
/propulsion/pwm_vaccum_3v3: Q1.1 R5.1 U23.22
/propulsion/right_encod_A_3v3: J50.19 R22.2 R23.1 R25.2
/propulsion/right_encod_B_3v3: J50.18 R17.2 R18.1 R19.2
/SCL_3v3: J1#2.6 R10#2.2 U3.10 U4#2.C4
/SDA_3v3: J1#2.5 R9#2.2 U3.9 U4#2.C3
/sensors/ctc_left: J50.20 R32.2 SW1.2 SW6.2
/sensors/ctc_right: J50.1 R33.2 SW2.1 SW9.1
/sensors/line_detect_l0: R36.2 U7.7 U8.1
/sensors/line_detect_l1: R42.2 U7.8 U13.1
/sensors/line_detect_l2: R48.2 U7.9 U15.1
/sensors/line_detect_l3: R52.2 U7.10 U19.1
/sensors/line_detect_r0: R37.2 U7.5 U9.1
/sensors/line_detect_r1: R43.2 U7.4 U14.1
/sensors/line_detect_r2: R49.2 U7.3 U16.1
/sensors/line_detect_r3: R53.2 U7.2 U20.1
/sensors/line_led_3v3: R34.1 R35.1 R40.1 R41.1 R46.1 R47.1 R50.1 R51.1 U5.1 U5.4
/sensors/tof_irq: J50.3 U6.4 U10.4 U26.4
/VL53L1_irq_3v3: R4.1 R8#2.2 R20#2.1 U3.7
/VL53L5_I2C_RST_3v3: R14#2.1 U4#2.A1
/VL53L5_irq_3v3: R5#2.1 R13#2.2 R21.1 U4#2.A3
